# KiCad board backplane.20-slot.kicad_pcb (continued)
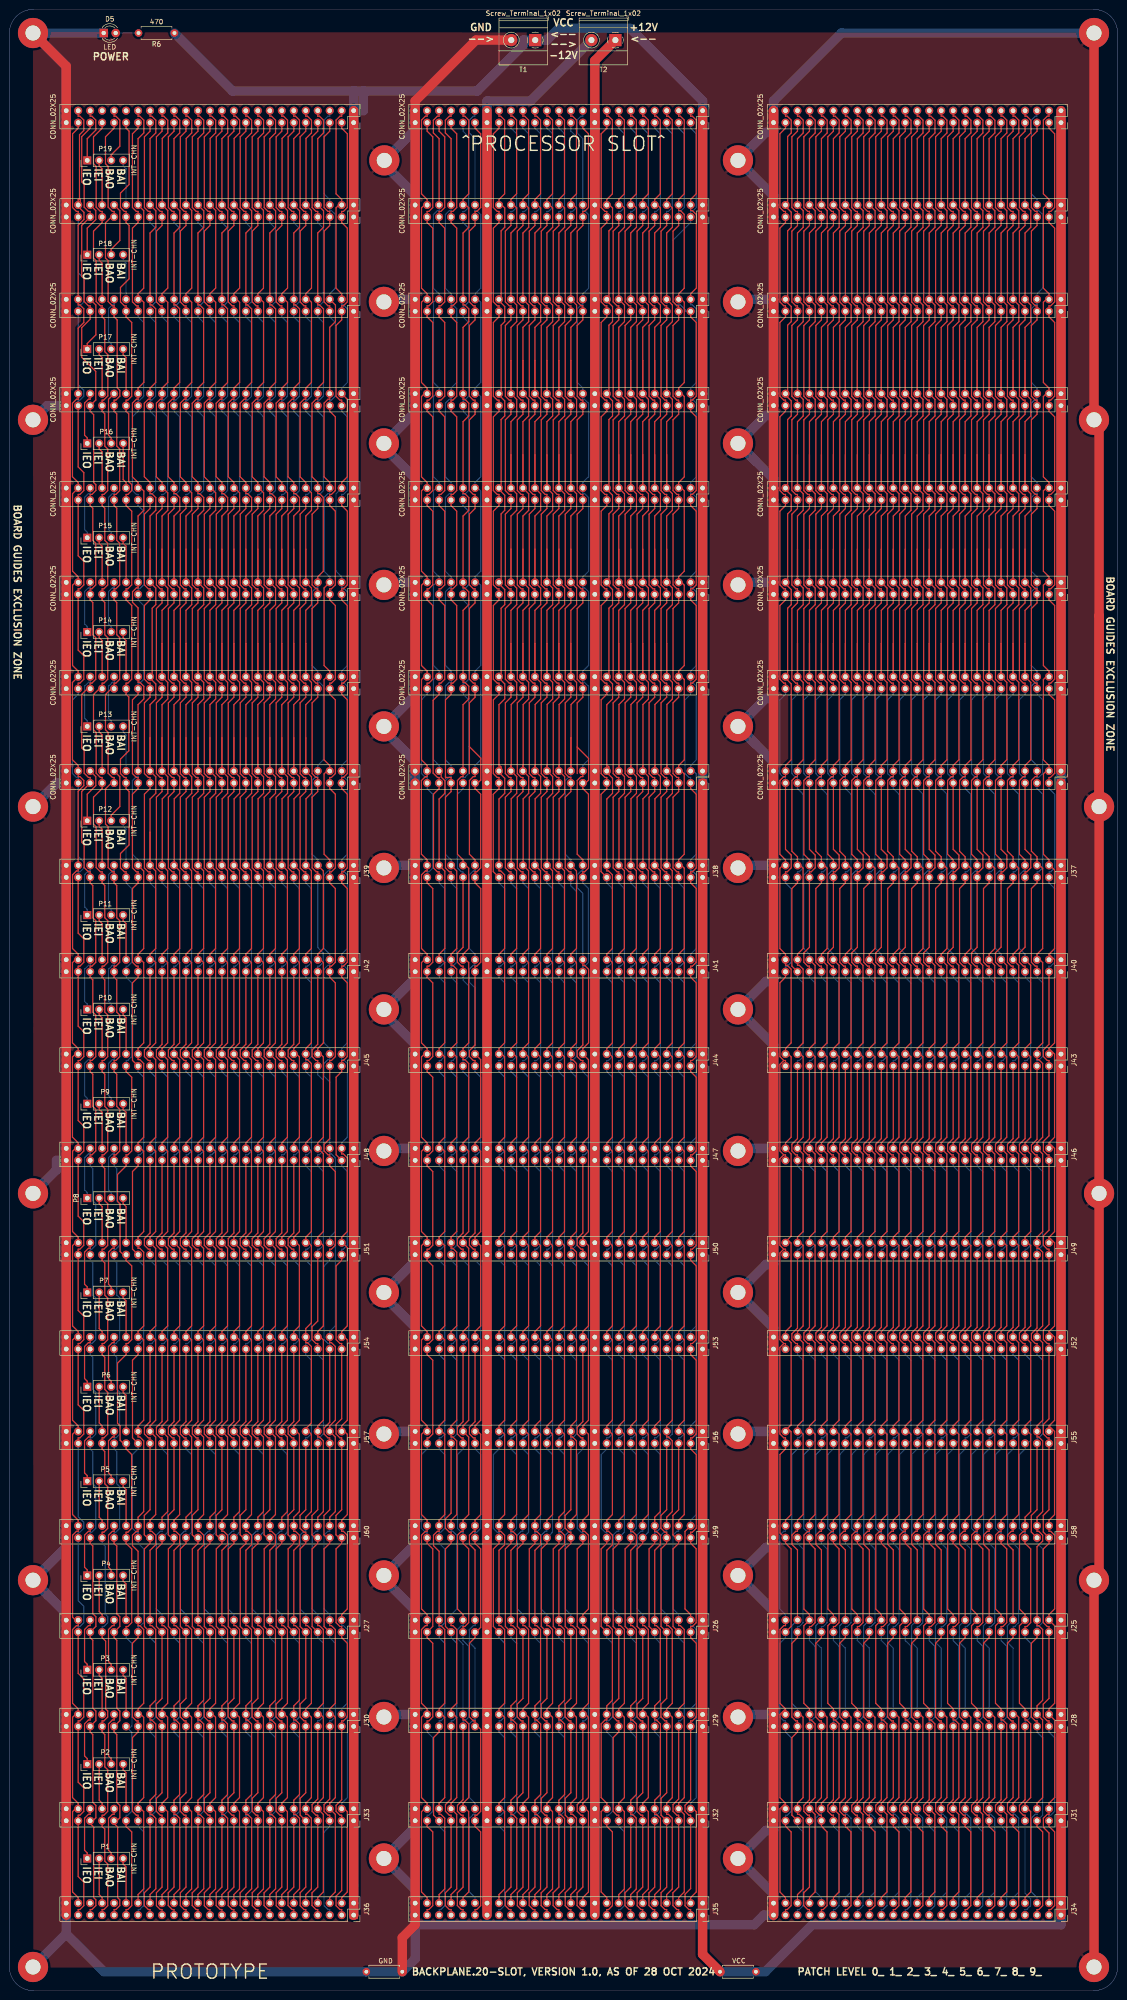
[diagram p0: board, top side]
## Routing (per net, layer and track width the routed paths; a pad name or vN(x,y) marks a point on that pad's centre or on a via; arc(x,y) is an arc through that point) (continued)
/~{BUSRQ}: length 403
  Top w0.25: J22.23 45.06,394.19 43.87,393 43.87,378 44.7,377.18 45.06,377.18 J19.23 ; J36.23 45.06,17.18 44.69,17.18 43.84,18.03 43.84,20.72 45.06,21.94 J33.23 ; J42.23 45.06,200.61 43.87,199.42 43.87,198 44.7,197.18 45.06,197.18 J45.23 ; J27.23 43.87,77.19 43.87,93.63 45.06,94.82 45.06,95.41 ; J48.23 45.06,160.61 43.87,159.42 43.87,158 44.7,157.18 45.06,157.18 J51.23 ; J39.23 45.06,237.18 44.7,237.18 43.87,238 43.87,253 45.06,254.19 J1.23 45.06,257.18 44.7,257.18 43.87,258 43.87,273 45.06,274.19 J4.23 45.06,277.18 44.7,277.18 43.87,278 43.87,293 45.06,294.19 J7.23 45.06,297.18 44.7,297.18 43.87,298 43.87,313 45.06,314.19 J10.23 ; J60.23 45.06,95.41 ; 45.06,95.41 43.85,96.63 43.85,100.72 45.06,101.94 J57.23 45.06,117.18 44.7,117.18 43.87,118 43.87,119.42 45.06,120.61 J54.23
  Bottom w0.25: J19.23 45.06,374.82 46.25,373.63 46.25,358 45.43,357.18 45.06,357.18 J16.23 45.06,354.82 46.25,353.63 46.25,338 45.43,337.18 45.06,337.18 J13.23 45.06,334.82 46.25,333.63 46.25,318 45.43,317.18 45.06,317.18 J10.23 ; J45.23 45.06,194.82 46.25,193.63 46.25,178 45.43,177.18 45.06,177.18 J48.23 ; J54.23 45.06,137.18 45.43,137.18 46.25,138 46.25,153.63 45.06,154.82 J51.23 ; J39.23 45.06,234.82 46.25,233.63 46.25,218 45.43,217.18 45.06,217.18 J42.23 ; J33.23 45.06,37.18 45.43,37.18 46.25,38 46.25,53.63 45.06,54.82 J30.23 45.06,57.18 45.43,57.18 46.25,58 46.25,73.63 45.06,74.82 J27.23
/~{DREQ0}: length 406.9
  Top w0.25: 91.12,139.13 91.12,139.72 92.31,140.91 92.31,157.94 91.12,159.13 ; 91.12,139.13 92.31,137.94 92.31,120.91 91.12,119.72 91.12,119.13 ; 91.12,139.13 J53.46 ; 91.12,199.13 92.31,197.94 92.31,180.91 91.12,179.72 91.12,179.13 ; 91.12,199.13 91.12,199.72 92.31,200.91 92.31,217.94 91.12,219.13 ; 91.12,199.13 J44.46 ; 91.12,179.13 92.31,177.94 92.31,160.91 91.12,159.72 91.12,159.13 ; 91.12,179.13 J47.46 ; 91.12,219.13 J41.46 ; 91.12,219.13 91.12,219.72 92.34,220.93 92.34,237.32 J38.46 91.12,252.6 92.34,253.82 92.34,256.49 91.57,257.26 91.57,258.09 J2.46 ; J56.46 91.12,119.13 ; 91.12,119.13 92.31,117.94 92.31,100.91 91.12,99.72 J59.46 91.12,97.36 90.75,97.36 89.93,96.54 89.93,94.32 91.12,93.13 J26.46 91.12,77.36 91.49,77.36 92.31,76.54 92.31,60.91 91.12,59.72 91.12,59.13 ; J35.46 91.12,20.35 92.31,21.54 92.31,36.54 91.49,37.36 91.12,37.36 J32.46 91.12,39.72 92.31,40.91 92.31,57.94 91.12,59.13 ; J29.46 91.12,59.13 ; J20.46 91.12,392.6 89.9,393.82 89.9,396.51 90.75,397.36 91.12,397.36 J23.46 ; 91.12,159.13 J50.46
  Bottom w0.25: J5.46 91.12,279.13 ; 91.12,279.13 89.93,277.93 89.93,260.91 91.12,259.72 J2.46 ; 91.12,279.13 91.12,279.72 89.93,280.91 89.93,297.93 91.12,299.13 ; 91.12,319.13 91.12,319.72 89.93,320.91 89.93,337.93 91.12,339.13 ; 91.12,319.13 J11.46 ; 91.12,319.13 89.93,317.93 89.93,300.91 91.12,299.72 91.12,299.13 ; J20.46 91.12,377.36 90.75,377.36 89.93,376.54 89.93,360.91 91.12,359.72 91.12,359.13 ; 91.12,299.13 J8.46 ; 91.12,359.13 89.93,357.94 89.93,340.91 91.12,339.72 91.12,339.13 ; 91.12,359.13 J17.46 ; J14.46 91.12,339.13
/~{DREQ1}: length 404.8
  Top w0.25: J47.42 96.2,179.13 ; 96.2,179.13 96.2,179.72 97.39,180.91 97.39,196.54 96.57,197.36 96.2,197.36 J44.42 96.2,199.72 97.39,200.91 97.39,217.93 96.2,219.13 ; 96.2,179.13 97.39,177.93 97.39,160.91 96.2,159.72 J50.42 97.39,157.35 97.39,140.91 96.2,139.72 96.2,139.13 ; 96.2,219.13 96.2,219.72 97.39,220.91 97.39,237.93 96.2,239.13 ; 96.2,219.13 J41.42 ; J23.42 96.2,397.36 96.57,397.36 97.39,396.54 97.39,380.91 96.2,379.72 96.2,379.13 ; 96.2,139.13 J53.42 ; 96.2,139.13 97.39,137.93 97.39,120.91 96.2,119.72 J56.42 97.39,117.35 97.39,100.91 96.2,99.72 J59.42 96.2,97.36 95.83,97.36 95.02,96.56 95.02,80.89 96.2,79.72 J26.42 ; J20.42 96.2,379.13 ; 96.2,379.13 97.42,377.91 97.42,373.82 96.2,372.6 J17.42 96.2,357.36 96.57,357.36 97.42,356.51 97.42,353.82 96.2,352.6 J14.42 96.2,337.36 96.57,337.36 97.42,336.51 97.42,333.82 96.2,332.6 J11.42 96.2,317.36 96.57,317.36 97.42,316.51 97.42,313.82 96.2,312.6 J8.42 96.2,297.36 96.57,297.36 97.42,296.51 97.42,293.82 96.2,292.6 J5.42 96.2,277.36 96.57,277.36 97.42,276.51 97.42,273.82 96.2,272.6 J2.42 96.2,257.36 95.83,257.36 95.01,256.54 95.01,240.91 96.2,239.72 96.2,239.13 ; 96.2,239.13 J38.42 ; J35.42 96.2,19.72 97.39,20.91 97.39,37.93 96.2,39.13 ; 96.2,39.13 J32.42 ; 96.2,39.13 96.2,39.72 97.39,40.91 97.39,56.54 96.57,57.36 96.2,57.36 J29.42
  Bottom w0.25: J26.42 96.2,77.36 95.83,77.36 95.01,76.54 95.01,74.6 96.2,73.4 J29.42
/~{EIRQ0}: length 407.2
  Top w0.25: 17.12,35.41 18.33,36.62 18.33,39.25 17.68,39.9 17.68,54.27 17.12,54.82 J30.45 18.33,57.21 18.33,59.25 17.68,59.9 17.68,74.27 17.12,74.82 J27.45 18.33,77.21 18.33,79.25 17.68,79.9 17.68,94.27 17.12,94.82 J60.45 ; 17.12,35.41 J33.45 ; 17.12,35.41 17.86,34.67 17.86,19.71 18.32,19.25 18.32,18.01 17.49,17.18 17.12,17.18 J36.45 ; 17.12,276.59 15.32,274.79 15.32,263.42 15.85,262.9 15.85,258.08 16.75,257.18 17.12,257.18 17.12,256.59 ; 17.12,276.59 17.12,277.18 17.49,277.18 18.3,277.99 18.3,286.82 17.68,287.44 17.68,294.27 17.12,294.82 J7.45 17.12,297.18 17.49,297.18 18.3,297.99 18.3,306.82 17.68,307.44 17.68,314.27 17.12,314.82 J10.45 17.12,317.18 17.49,317.18 18.32,318.01 18.32,319.25 17.86,319.71 17.86,334.08 17.12,334.82 J13.45 18.31,337.19 18.31,343.26 15.32,346.24 15.32,352.54 17.12,354.34 J16.45 17.12,357.18 16.75,357.18 15.85,358.08 15.85,362.9 15.32,363.42 15.32,374.2 J19.45 17.12,377.18 16.75,377.18 15.85,378.08 15.85,382.9 15.32,383.42 15.32,393.03 17.12,394.82 J22.45 ; 17.12,276.59 J4.45 ; J48.45 17.12,177.18 17.49,177.18 18.3,177.99 18.3,186.82 17.68,187.44 17.68,194.27 17.12,194.82 J45.45 17.12,197.18 17.49,197.18 18.3,197.99 18.3,206.82 17.68,207.44 17.68,214.27 17.12,214.82 J42.45 17.12,217.18 17.49,217.18 18.3,217.99 18.3,226.82 17.68,227.44 17.68,234.27 17.12,234.82 J39.45 17.12,237.18 16.75,237.18 15.85,238.08 15.85,242.9 15.32,243.42 15.32,254.2 J1.45 ; 17.12,256.59 J1.45 ; 17.12,256.59 J1.45
  Bottom w0.25: J60.45 17.12,97.18 17.49,97.18 18.3,97.99 18.3,106.82 17.68,107.44 17.68,114.27 17.12,114.82 J57.45 17.12,117.18 17.49,117.18 18.3,117.99 18.3,126.82 17.68,127.44 17.68,134.27 17.12,134.82 J54.45 17.12,137.18 17.49,137.18 18.3,137.99 18.3,146.82 17.68,147.44 17.68,154.27 17.12,154.82 J51.45 17.12,157.18 17.49,157.18 18.3,157.99 18.3,166.82 17.68,167.44 17.68,174.27 17.12,174.82 J48.45
/~{EIRQ1}: length 405.4
  Top w0.25: J27.43 19.66,74.82 20.4,74.08 20.4,59.71 20.84,59.28 20.84,57.99 20.03,57.18 19.66,57.18 J30.43 19.66,54.82 20.22,54.27 20.22,47.44 20.84,46.82 20.84,37.99 20.03,37.18 19.66,37.18 J33.43 19.66,34.82 20.22,34.27 20.22,27.44 20.84,26.82 20.84,17.99 20.03,17.18 19.66,17.18 J36.43 ; 19.66,276.59 17.83,274.76 17.83,267.29 18.39,266.73 18.39,258.08 19.29,257.18 19.66,257.18 J1.43 19.66,254.82 17.83,253 17.83,247.29 18.39,246.73 18.39,238.08 19.29,237.18 19.66,237.18 J39.43 19.66,234.82 20.22,234.27 20.22,227.44 20.84,226.82 20.84,217.99 20.03,217.18 19.66,217.18 J42.43 19.66,214.82 20.22,214.27 20.22,207.44 20.84,206.82 20.84,197.99 20.03,197.18 19.66,197.18 J45.43 19.66,194.82 20.22,194.27 20.22,187.44 20.84,186.82 20.84,177.99 20.03,177.18 19.66,177.18 J48.43 19.66,174.82 20.22,174.27 20.22,167.44 20.84,166.82 20.84,157.99 20.03,157.18 19.66,157.18 J51.43 19.66,154.82 20.22,154.27 20.22,147.44 20.84,146.82 20.84,137.99 20.03,137.18 19.66,137.18 J54.43 19.66,134.82 20.22,134.27 20.22,127.44 20.84,126.82 20.84,117.99 20.03,117.18 19.66,117.18 J57.43 19.66,114.82 20.22,114.27 20.22,107.44 20.84,106.82 20.84,97.99 20.03,97.18 19.66,97.18 J60.43 ; 19.66,276.59 J4.43 ; 19.66,276.59 19.66,277.18 20.03,277.18 20.84,277.99 20.84,286.82 20.22,287.44 20.22,294.27 19.66,294.82 J7.43 19.66,297.18 20.03,297.18 20.84,297.99 20.84,306.82 20.22,307.44 20.22,314.27 19.66,314.82 J10.43 19.66,317.18 20.03,317.18 20.84,317.99 20.84,326.82 20.22,327.44 20.22,334.27 19.66,334.82 J13.43 19.66,337.18 19.97,337.18 20.87,338.07 20.87,346.79 20.22,347.44 20.22,354.27 19.66,354.82 J16.43 19.66,357.18 19.29,357.18 18.39,358.08 18.39,366.73 17.83,367.29 17.83,373 19.66,374.82 J19.43 19.66,377.18 19.29,377.18 18.39,378.08 18.39,386.73 17.83,387.29 17.83,393 19.66,394.82 J22.43
  Bottom w0.25: J60.43 19.66,94.82 20.31,94.17 20.31,79.81 20.87,79.25 20.87,78.02 20.03,77.18 19.66,77.18 J27.43
/~{EIRQ2}: length 406.6
  Top w0.25: J19.41 22.2,376.59 ; 22.2,376.59 22.2,377.18 21.83,377.18 20.93,378.08 20.93,386.73 20.37,387.29 20.37,393 22.2,394.82 J22.41 ; 22.2,376.59 20.37,374.76 20.37,367.29 20.93,366.73 20.93,358.08 21.83,357.18 22.2,357.18 J16.41 22.2,354.82 22.85,354.17 22.85,339.81 23.41,339.25 23.41,338.02 22.57,337.18 22.2,337.18 J13.41 22.2,334.82 22.76,334.27 22.76,327.44 23.38,326.82 23.38,317.99 22.57,317.18 22.2,317.18 J10.41 22.2,314.82 22.76,314.27 22.76,307.44 23.38,306.82 23.38,297.99 22.57,297.18 22.2,297.18 J7.41 22.2,294.82 22.76,294.27 22.76,287.44 23.38,286.82 23.38,277.99 22.57,277.18 22.2,277.18 22.2,276.59 ; 22.2,256.59 22.2,257.18 21.83,257.18 20.93,258.08 20.93,266.73 20.37,267.29 20.37,274.76 22.2,276.59 ; 22.2,256.59 J1.41 ; 22.2,256.59 20.37,254.76 20.37,247.29 20.93,246.73 20.93,238.08 21.83,237.18 22.2,237.18 J39.41 22.2,234.82 22.76,234.27 22.76,227.44 23.38,226.82 23.38,217.99 22.57,217.18 22.2,217.18 J42.41 22.2,214.82 22.76,214.27 22.76,207.44 23.38,206.82 23.38,197.99 22.57,197.18 22.2,197.18 J45.41 22.2,194.82 22.76,194.27 22.76,187.44 23.38,186.82 23.38,177.99 22.57,177.18 22.2,177.18 J48.41 ; 22.2,35.41 23.41,36.62 23.41,39.25 22.77,39.89 22.77,54.26 22.2,54.82 J30.41 23.41,57.21 23.41,59.25 22.77,59.89 22.77,74.26 22.2,74.82 J27.41 23.41,77.21 23.41,79.25 22.77,79.89 22.77,94.26 22.2,94.82 J60.41 ; 22.2,35.41 J33.41 ; 22.2,35.41 22.94,34.67 22.94,19.71 23.4,19.25 23.4,18.01 22.57,17.18 22.2,17.18 J36.41 ; J4.41 22.2,276.59
  Bottom w0.25: J60.41 22.2,97.18 22.57,97.18 23.38,97.99 23.38,106.82 22.76,107.44 22.76,114.27 22.2,114.82 J57.41 22.2,117.18 22.57,117.18 23.38,117.99 23.38,126.82 22.76,127.44 22.76,134.27 22.2,134.82 J54.41 22.2,137.18 22.57,137.18 23.38,137.99 23.38,146.82 22.76,147.44 22.76,154.27 22.2,154.82 J51.41 22.2,157.18 22.57,157.18 23.38,157.99 23.38,166.82 22.76,167.44 22.76,174.27 22.2,174.82 J48.41
/~{EIRQ3}: length 407.2
  Top w0.25: 24.74,115.41 23.47,116.68 23.47,119.72 22.92,120.27 22.92,133 24.74,134.82 J54.39 24.74,137.18 25.11,137.18 25.93,138 25.93,153.63 24.74,154.82 24.74,155.41 ; 24.74,115.41 24.74,114.82 25.92,113.65 25.92,97.99 25.11,97.18 24.74,97.18 J60.39 24.74,94.82 25.93,93.63 25.93,78 25.11,77.18 24.74,77.18 J27.39 ; 24.74,115.41 J57.39 ; J51.39 24.74,155.41 ; 24.74,155.41 23.47,156.68 23.47,166.75 22.92,167.3 22.92,173 24.74,174.82 J48.39 24.74,177.18 25.11,177.18 25.93,178 25.93,193.63 24.74,194.82 J45.39 ; J39.39 24.74,237.18 24.37,237.18 23.55,238 23.55,241.06 25.37,242.88 25.37,254.19 24.74,254.82 J1.39 24.74,257.18 24.37,257.18 23.55,258 23.55,261.06 25.31,262.82 25.31,274.25 24.74,274.82 J4.39 24.74,277.18 25.11,277.18 25.93,278 25.93,293.63 24.74,294.82 J7.39 24.74,297.18 25.11,297.18 25.93,298 25.93,313.63 24.74,314.82 J10.39 24.74,317.18 25.11,317.18 25.92,317.99 25.92,319.28 25.3,319.9 25.3,334.27 24.74,334.82 J13.39 24.74,337.18 25.11,337.18 25.93,338 25.93,353.64 24.74,354.82 J16.39 24.74,357.18 24.37,357.18 23.55,358 23.55,361.06 25.37,362.88 25.37,374.19 24.74,374.82 J19.39 24.74,377.18 24.37,377.18 23.55,378 23.55,381.06 25.37,382.88 25.37,394.19 24.74,394.82 J22.39 ; J33.39 24.74,34.82 25.93,33.63 25.93,18 25.11,17.18 24.74,17.18 J36.39
  Bottom w0.25: 25.3,55.41 25.93,54.77 25.93,38 25.11,37.18 24.74,37.18 J33.39 ; 25.3,55.41 25.97,56.09 25.97,73.59 24.74,74.82 J27.39 ; 25.3,55.41 24.74,55.41 J30.39 ; J39.39 24.74,234.82 25.93,233.63 25.93,218 25.11,217.18 24.74,217.18 J42.39 24.74,214.82 25.93,213.63 25.93,198 25.11,197.18 24.74,197.18 J45.39
/~{EIRQ4}: length 402.1
  Top w0.25: J16.37 27.28,357.18 26.91,357.18 26.09,358 26.09,373.63 27.28,374.82 J19.37 27.28,377.18 26.91,377.18 26.09,378 26.09,393.63 27.28,394.82 J22.37 ; J33.37 27.28,37.18 26.91,37.18 26.1,37.99 26.1,53.64 27.28,54.82 J30.37 27.28,57.18 26.91,57.18 26.09,58 26.09,73.63 27.28,74.82 J27.37 ; J45.37 26.1,197.18 26.1,213.64 27.28,214.82 J42.37 27.28,217.18 26.91,217.18 26.1,217.99 26.1,233.64 27.28,234.82 J39.37 27.28,237.18 26.91,237.18 26.09,238 26.09,253.63 27.28,254.82 J1.37 27.28,257.18 26.91,257.18 26.09,258 26.09,273.63 27.28,274.82 J4.37 ; J51.37 26.1,157.18 26.1,173.64 27.28,174.82 J48.37 ; J57.37 26.1,117.18 26.1,133.64 27.28,134.82 J54.37
  Bottom w0.25: J54.37 27.28,137.18 27.65,137.18 28.47,138 28.47,153.63 27.28,154.82 J51.37 ; J4.37 27.28,277.18 27.65,277.18 28.47,278 28.47,293.63 27.28,294.82 J7.37 27.28,297.18 27.65,297.18 28.47,298 28.47,313.63 27.28,314.82 J10.37 27.28,317.18 26.91,317.18 26.09,318 26.09,333.63 27.28,334.82 J13.37 27.28,337.18 27.65,337.18 28.47,338 28.47,353.63 27.28,354.82 J16.37 ; J36.37 27.28,17.18 27.65,17.18 28.47,18 28.47,33.63 27.28,34.82 J33.37 ; J45.37 27.28,194.82 28.47,193.63 28.47,178 27.65,177.18 27.28,177.18 J48.37 ; J27.37 27.28,77.18 27.65,77.18 28.47,78 28.47,93.63 27.28,94.82 J60.37 27.28,97.18 26.91,97.18 26.09,98 26.09,113.63 27.28,114.82 J57.37
/~{EIRQ5}: length 403
  Top w0.25: J10.35 29.82,314.19 28.63,313 28.63,298 29.45,297.18 29.82,297.18 J7.35 29.82,294.82 28.63,293.63 28.63,278 29.45,277.18 29.82,277.18 J4.35 29.82,274.19 28.63,273 28.63,258 29.45,257.18 29.82,257.18 J1.35 29.82,254.82 28.63,253.63 28.63,238 29.45,237.18 29.82,237.18 J39.35 ; J54.35 29.82,120.61 28.63,119.42 28.63,118 29.45,117.18 29.82,117.18 J57.35 29.82,101.94 28.6,100.72 28.6,96.63 29.82,95.41 ; J51.35 29.82,157.18 29.45,157.18 28.63,158 28.63,159.42 29.82,160.61 J48.35 ; J42.35 29.82,200.61 28.63,199.42 28.63,198 29.45,197.18 29.82,197.18 J45.35 ; 29.82,95.41 29.82,94.82 28.63,93.63 28.63,77.19 J27.35 ; 29.82,95.41 J60.35 ; J22.35 29.82,394.19 28.63,393 28.63,378 29.45,377.18 29.82,377.18 J19.35 ; J33.35 29.82,21.94 28.6,20.72 28.6,18.03 29.45,17.18 29.82,17.18 J36.35
  Bottom w0.25: J10.35 29.82,317.18 30.19,317.18 31.01,318 31.01,333.63 29.82,334.82 J13.35 29.82,337.18 30.19,337.18 31.01,338 31.01,353.63 29.82,354.82 J16.35 29.82,357.18 30.19,357.18 31.01,358 31.01,373.63 29.82,374.82 J19.35 ; J39.35 29.82,234.82 31.01,233.63 31.01,218 30.19,217.18 29.82,217.18 J42.35 ; J54.35 29.82,137.18 30.19,137.18 31.01,138 31.01,153.63 29.82,154.82 J51.35 ; J48.35 29.82,177.18 30.19,177.18 31.01,178 31.01,193.63 29.82,194.82 J45.35 ; J33.35 29.82,37.18 30.19,37.18 31.01,38 31.01,53.63 29.82,54.82 J30.35 29.82,57.18 30.19,57.18 31.01,58 31.01,73.63 29.82,74.82 J27.35
/~{EIRQ6}: length 402.4
  Top w0.25: J45.33 32.36,197.18 31.99,197.18 31.17,198 31.17,199.42 32.36,200.61 J42.33 ; J36.33 32.36,17.18 31.99,17.18 31.17,17.99 31.17,20.75 32.36,21.94 J33.33 32.36,37.18 31.99,37.18 31.17,38 31.17,40.74 32.36,41.94 J30.33 32.36,57.18 31.99,57.18 31.15,58.02 31.15,60.72 32.36,61.94 J27.33 31.17,77.19 31.17,93.63 32.36,94.82 J60.33 ; J54.33 32.36,120.61 31.17,119.42 31.17,118 31.99,117.18 32.36,117.18 J57.33 ; J39.33 32.36,237.18 31.99,237.18 31.17,238 31.17,253 32.36,254.19 J1.33 32.36,257.18 31.99,257.18 31.17,258 31.17,273 32.36,274.19 J4.33 32.36,277.18 31.99,277.18 31.17,278 31.17,293 32.36,294.19 J7.33 32.36,297.18 31.99,297.18 31.17,298 31.17,313 32.36,314.19 J10.33 ; J48.33 32.36,160.61 31.17,159.42 31.17,158 31.99,157.18 32.36,157.18 J51.33 ; J22.33 32.36,394.19 31.17,393 31.17,378 31.99,377.18 32.36,377.18 J19.33 32.36,374.19 31.18,373.01 31.18,357.99 31.99,357.18 32.36,357.18 J16.33
  Bottom w0.25: J16.33 32.36,354.82 33.55,353.63 33.55,338 32.73,337.18 32.36,337.18 J13.33 32.36,334.82 33.55,333.63 33.55,318 32.73,317.18 32.36,317.18 J10.33 ; J57.33 32.36,114.82 33.54,113.65 33.54,97.18 J60.33 ; J39.33 32.36,234.82 33.55,233.63 33.55,218 32.73,217.18 32.36,217.18 J42.33 ; J48.33 32.36,177.18 32.73,177.18 33.55,178 33.55,193.63 32.36,194.82 J45.33 ; J51.33 32.36,154.82 33.55,153.63 33.55,138 32.73,137.18 32.36,137.18 J54.33
/~{EIRQ7}: length 403
  Top w0.25: J45.31 34.9,197.18 34.53,197.18 33.71,198 33.71,199.42 34.9,200.61 J42.31 ; J27.31 33.71,77.19 33.71,93.63 34.9,94.82 34.9,95.41 ; J60.31 34.9,95.41 ; 34.9,95.41 33.69,96.63 33.69,100.72 34.9,101.94 J57.31 34.9,117.18 34.53,117.18 33.71,118 33.71,119.42 34.9,120.61 J54.31 ; J48.31 34.9,160.61 33.71,159.42 33.71,158 34.53,157.18 34.9,157.18 J51.31 ; J10.31 34.9,314.19 33.71,313 33.71,298 34.53,297.18 34.9,297.18 J7.31 34.9,294.19 33.71,293 33.71,278 34.53,277.18 34.9,277.18 J4.31 34.9,274.19 33.71,273 33.71,258 34.53,257.18 34.9,257.18 J1.31 34.9,254.19 33.71,253 33.71,238 34.53,237.18 34.9,237.18 J39.31 ; J19.31 34.9,377.18 34.53,377.18 33.71,378 33.71,393 34.9,394.19 J22.31 ; J36.31 34.9,17.18 34.53,17.18 33.68,18.03 33.68,20.72 34.9,21.94 J33.31
  Bottom w0.25: J33.31 34.9,37.18 35.27,37.18 36.09,38 36.09,53.63 34.9,54.82 J30.31 34.9,57.18 35.27,57.18 36.09,58 36.09,73.63 34.9,74.82 J27.31 ; J42.31 34.9,217.18 35.27,217.18 36.09,218 36.09,233.63 34.9,234.82 J39.31 ; J54.31 34.9,137.18 35.27,137.18 36.09,138 36.09,153.63 34.9,154.82 J51.31 ; J10.31 34.9,317.18 35.27,317.18 36.09,318 36.09,333.63 34.9,334.82 J13.31 34.9,337.18 35.27,337.18 36.09,338 36.09,353.63 34.9,354.82 J16.31 34.9,357.18 35.27,357.18 36.09,358 36.09,373.63 34.9,374.82 J19.31 ; J48.31 34.9,177.18 35.27,177.18 36.09,178 36.09,193.63 34.9,194.82 J45.31
/~{HALT}: length 403
  Top w0.25: J10.27 39.98,314.19 38.79,313 38.79,298 39.61,297.18 39.98,297.18 J7.27 39.98,294.19 38.79,293 38.79,278 39.61,277.18 39.98,277.18 J4.27 39.98,274.19 38.79,273 38.79,258 39.61,257.18 39.98,257.18 J1.27 39.98,254.19 38.79,253 38.79,238 39.61,237.18 39.98,237.18 J39.27 ; J42.27 39.98,200.61 38.79,199.42 38.79,198 39.61,197.18 39.98,197.18 J45.27 ; J33.27 39.98,21.94 38.76,20.72 38.76,18.03 39.61,17.18 39.98,17.18 J36.27 ; J54.27 39.98,120.61 38.79,119.42 38.79,118 39.61,117.18 39.98,117.18 J57.27 39.98,101.94 38.77,100.72 38.77,96.63 39.98,95.41 ; 39.98,95.41 39.98,94.82 38.79,93.63 38.79,77.19 J27.27 ; 39.98,95.41 J60.27 ; J22.27 39.98,394.19 38.79,393 38.79,378 39.61,377.18 39.98,377.18 J19.27 ; J51.27 39.98,157.18 39.61,157.18 38.79,158 38.79,159.42 39.98,160.61 J48.27
  Bottom w0.25: J51.27 39.98,154.82 41.17,153.63 41.17,138 40.35,137.18 39.98,137.18 J54.27 ; J42.27 39.98,217.18 40.35,217.18 41.17,218 41.17,233.63 39.98,234.82 J39.27 ; J27.27 39.98,74.82 41.17,73.63 41.17,58 40.35,57.18 39.98,57.18 J30.27 39.98,54.82 41.17,53.63 41.17,38 40.35,37.18 39.98,37.18 J33.27 ; J10.27 39.98,317.18 40.35,317.18 41.17,318 41.17,333.63 39.98,334.82 J13.27 39.98,337.18 40.35,337.18 41.17,338 41.17,353.63 39.98,354.82 J16.27 39.98,357.18 40.35,357.18 41.17,358 41.17,373.63 39.98,374.82 J19.27 ; J45.27 39.98,194.82 41.17,193.63 41.17,178 40.35,177.18 39.98,177.18 J48.27
/~{IEI-1}: length 9.7
  Top w0.25: J36.44 19.66,19.72 19.04,20.34 P1.2
/~{IEI-2}: length 9.7
  Top w0.25: P2.2 19.04,40.34 19.66,39.72 J33.44
/~{IEI-3}: length 9.7
  Top w0.25: J30.44 19.66,66.2 19.04,66.82 P3.2
/~{IEI-4}: length 9.7
  Top w0.25: P4.2 19.04,80.34 19.66,79.72 J27.44
/~{IEI-5}: length 9.7
  Top w0.25: P5.2 19.04,100.34 19.66,99.72 J60.44
/~{IEI-6}: length 9.7
  Top w0.25: P6.2 19.04,120.34 19.66,119.72 J57.44
/~{IEI-7}: length 9.7
  Top w0.25: J54.44 19.66,139.72 19.04,140.34 P7.2
/~{IEI-8}: length 9.7
  Top w0.25: J51.44 19.66,166.2 19.04,166.82 P8.2
/~{IEI-9}: length 9.7
  Top w0.25: P9.2 19.04,186.82 19.66,186.2 J48.44
/~{IEI-10}: length 9.7
  Top w0.25: J45.44 19.66,206.2 19.04,206.82 P10.2
/~{IEI-11}: length 9.7
  Top w0.25: P11.2 19.04,226.82 19.66,226.2 J42.44
/~{IEI-12}: length 9.7
  Top w0.25: J39.44 19.66,246.2 19.04,246.82 P12.2
/~{IEI-13}: length 9.7
  Top w0.25: J1.44 19.66,266.2 19.04,266.82 P13.2
/~{IEI-14}: length 9.7
  Top w0.25: J4.44 19.66,286.2 19.04,286.82 P14.2
/~{IEI-15}: length 9.7
  Top w0.25: J7.44 19.66,306.2 19.04,306.82 P15.2
/~{IEI-16}: length 9.7
  Top w0.25: P16.2 19.04,326.82 19.66,326.2 J10.44
/~{IEI-17}: length 9.7
  Top w0.25: P17.2 19.04,346.82 19.66,346.2 J13.44
/~{IEI-18}: length 9.7
  Top w0.25: P18.2 19.04,366.82 19.66,366.2 J16.44
/~{IEI-19}: length 9.7
  Top w0.25: J19.44 19.66,386.2 19.04,386.82 P19.2
/~{IEO-2}: length 11.5
  Top w0.25: J33.46 17.12,37.36 16.75,37.36 15.93,36.54 15.93,29.74 16.5,29.18 P1.1
/~{IEO-3}: length 11.5
  Top w0.25: P2.1 16.5,49.18 15.93,49.74 15.93,56.54 16.75,57.36 17.12,57.36 J30.46
/~{IEO-4}: length 11.5
  Top w0.25: J27.46 17.12,77.36 16.75,77.36 15.93,76.54 15.93,69.74 16.5,69.18 P3.1
/~{IEO-5}: length 11.5
  Top w0.25: P4.1 16.5,89.18 15.93,89.74 15.93,96.54 16.75,97.36 17.12,97.36 J60.46
/~{IEO-6}: length 11.5
  Top w0.25: J57.46 17.12,117.36 16.75,117.36 15.93,116.54 15.93,109.74 16.5,109.18 P5.1
/~{IEO-7}: length 11.5
  Top w0.25: P6.1 16.5,129.18 15.93,129.74 15.93,136.54 16.75,137.36 17.12,137.36 J54.46
/~{IEO-8}: length 11.5
  Top w0.25: J51.46 17.12,157.36 16.75,157.36 15.93,156.54 15.93,149.74 16.5,149.18 P7.1
/~{IEO-9}: length 11.5
  Bottom w0.25: J48.46 17.12,177.36 16.75,177.36 15.93,176.54 15.93,169.74 16.5,169.18 P8.1
/~{IEO-10}: length 11.5
  Bottom w0.25: J45.46 17.12,197.36 16.75,197.36 15.93,196.54 15.93,189.74 16.5,189.18 P9.1
/~{IEO-11}: length 11.5
  Bottom w0.25: P10.1 16.5,209.18 15.93,209.74 15.93,216.54 16.75,217.36 17.12,217.36 J42.46
/~{IEO-12}: length 11.5
  Bottom w0.25: P11.1 16.5,229.18 15.94,229.74 15.94,236.55 16.75,237.36 17.12,237.36 J39.46
/~{IEO-13}: length 11.8
  Top w0.25: 17.12,258.54 J1.46 17.12,258.54 ; 17.12,258.54 18.31,257.35 18.31,255.44 16.5,253.63 P12.1
/~{IEO-14}: length 11.5
  Bottom w0.25: J4.46 17.12,277.36 16.75,277.36 15.93,276.54 15.93,269.74 16.5,269.18 P13.1
/~{IEO-15}: length 11.5
  Bottom w0.25: P14.1 16.5,289.18 15.93,289.74 15.93,296.54 16.75,297.36 17.12,297.36 J7.46
/~{IEO-16}: length 11.5
  Bottom w0.25: J10.46 17.12,317.36 16.75,317.36 15.93,316.54 15.93,309.74 16.5,309.18 P15.1
/~{IEO-17}: length 11.5
  Top w0.25: P16.1 16.5,329.18 15.93,329.74 15.93,336.55 16.75,337.36 17.12,337.36 J13.46
/~{IEO-18}: length 11.8
  Top w0.25: P17.1 16.5,349.18 18.33,351 18.33,357.33 J16.46
/~{IEO-19}: length 11.8
  Top w0.25: P18.1 16.5,373.63 18.31,375.44 18.31,377.35 J19.46
/~{IEO-20}: length 12
  Top w0.25: J22.46 17.12,397.36 17.49,397.36 18.3,396.55 18.3,394.4 16.5,392.6 P19.1
/~{INT0}: length 402.4
  Top w0.25: J45.17 52.68,197.18 52.32,197.18 51.49,198 51.49,199.42 52.68,200.61 J42.17 ; J16.17 52.68,357.18 52.32,357.18 51.5,357.99 51.5,373.01 52.68,374.19 J19.17 52.68,377.18 52.32,377.18 51.49,378 51.49,393 52.68,394.19 J22.17 ; J10.17 52.68,314.19 51.49,313 51.49,298 52.32,297.18 52.68,297.18 J7.17 52.68,294.19 51.49,293 51.49,278 52.32,277.18 52.68,277.18 J4.17 52.68,274.19 51.49,273 51.49,258 52.32,257.18 52.68,257.18 J1.17 52.68,254.19 51.49,253 51.49,238 52.32,237.18 52.68,237.18 J39.17 ; J48.17 52.68,160.61 51.49,159.42 51.49,158 52.32,157.18 52.68,157.18 J51.17 ; J54.17 52.68,120.61 51.49,119.42 51.49,118 52.32,117.18 52.68,117.18 J57.17 ; J60.17 52.68,94.82 51.49,93.63 51.49,77.19 J27.17 52.68,61.94 51.47,60.72 51.47,58.02 52.31,57.18 52.68,57.18 J30.17 52.68,41.94 51.49,40.74 51.49,38 52.31,37.18 52.68,37.18 J33.17 52.68,21.94 51.49,20.75 51.49,17.99 52.31,17.18 52.68,17.18 J36.17
  Bottom w0.25: J10.17 52.68,317.18 53.05,317.18 53.87,318 53.87,333.63 52.68,334.82 J13.17 52.68,337.18 53.04,337.18 53.87,338 53.87,353.63 52.68,354.82 J16.17 ; J48.17 52.68,177.18 53.05,177.18 53.87,178 53.87,193.63 52.68,194.82 J45.17 ; J60.17 53.85,97.18 53.85,113.65 52.68,114.82 J57.17 ; J39.17 52.68,234.82 53.87,233.63 53.87,218 53.05,217.18 52.68,217.18 J42.17 ; J51.17 52.68,154.82 53.87,153.63 53.87,138 53.05,137.18 52.68,137.18 J54.17
/~{INT1}: length 425.3